# KiCad board DFTBoard.kicad_pcb (continued)
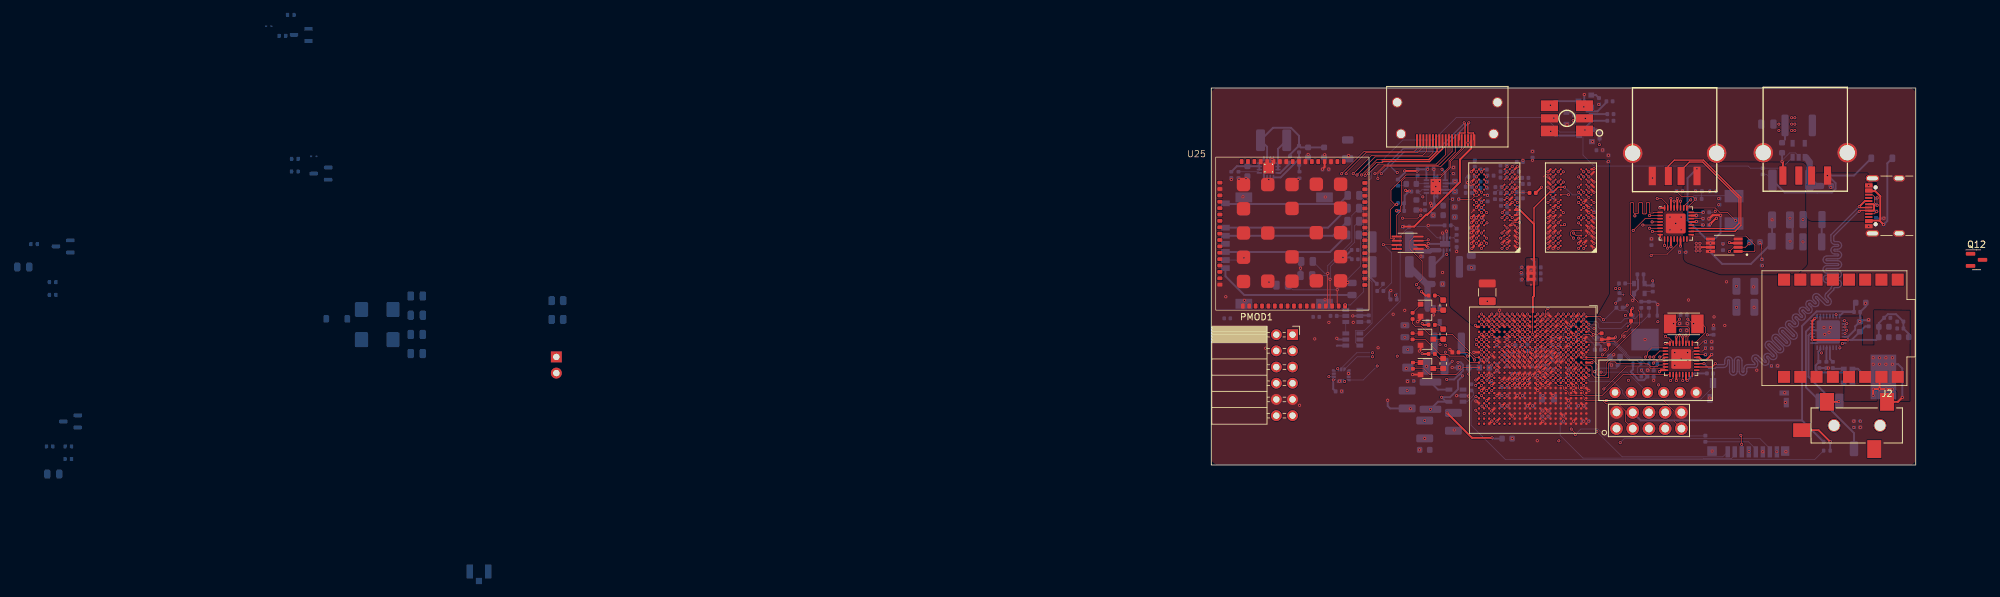
[diagram p0: board, top side]
## Routing (per net, layer and track width the routed paths; a pad name or vN(x,y) marks a point on that pad's centre or on a via; arc(x,y) is an arc through that point) (continued)
  BOTTOM w0.102: R70.1 45.97,41.61 v1(46.31,41.95)
DDR3_CK_N: length 48.3
  TOP_GND w0.102: U15.K7 v1(42.31,41.17) ; U16.K7 v1(54.31,41.17)
  TOP_GND w0.13: U20.N5 v1(48.71,20.47)
  SIGNAL1 w0.102: v1(48.71,20.47) 48.71,20.61 49.11,21.01 49.11,24.59 49.11,24.59 49.11,25.67 49.71,26.27 49.71,31.27 49.71,31.29 49.72,31.3 49.73,31.32 49.74,31.33 49.75,31.34 49.77,31.34 49.78,31.34 49.9,31.34 49.96,31.35 50.01,31.37 50.06,31.4 50.11,31.44 50.14,31.49 50.16,31.55 50.16,31.6 50.16,31.89 50.16,31.95 50.14,32 50.11,32.05 50.06,32.09 50.01,32.12 49.96,32.14 49.9,32.15 49.26,32.15 49.22,32.15 49.19,32.16 49.16,32.18 49.14,32.2 49.12,32.23 49.11,32.26 49.11,32.3 49.11,32.4 49.11,32.43 49.12,32.46 49.14,32.49 49.16,32.51 49.19,32.53 49.22,32.54 49.26,32.54 49.98,32.54 50.05,32.55 50.12,32.58 50.19,32.62 50.24,32.67 50.28,32.73 50.3,32.8 50.31,32.88 50.31,33.02 50.3,33.09 50.28,33.16 50.24,33.22 50.19,33.28 50.12,33.32 50.05,33.34 49.98,33.35 49.26,33.35 49.22,33.35 49.19,33.36 49.16,33.38 49.14,33.4 49.12,33.43 49.11,33.46 49.11,33.5 49.11,33.6 49.11,33.63 49.12,33.66 49.14,33.69 49.16,33.71 49.19,33.73 49.22,33.74 49.26,33.74 49.98,33.74 50.05,33.75 50.12,33.78 50.19,33.82 50.24,33.87 50.28,33.93 50.3,34 50.31,34.08 50.31,34.22 50.3,34.29 50.28,34.36 50.24,34.42 50.19,34.48 50.12,34.52 50.05,34.54 49.98,34.55 49.26,34.55 49.22,34.55 49.19,34.56 49.16,34.58 49.14,34.6 49.12,34.63 49.11,34.66 49.11,34.7 49.11,34.8 49.11,34.83 49.12,34.86 49.14,34.89 49.16,34.91 49.19,34.93 49.22,34.94 49.26,34.94 49.98,34.94 50.05,34.95 50.12,34.98 50.19,35.02 50.24,35.07 50.28,35.13 50.3,35.2 50.31,35.28 50.31,35.42 50.3,35.49 50.28,35.56 50.24,35.62 50.19,35.68 50.12,35.72 50.05,35.74 49.98,35.75 49.26,35.75 49.22,35.75 49.19,35.76 49.16,35.78 49.14,35.8 49.12,35.83 49.11,35.86 49.11,35.9 49.11,36 49.11,36.03 49.12,36.06 49.14,36.09 49.16,36.11 49.19,36.13 49.22,36.14 49.26,36.14 49.38,36.14 49.45,36.15 49.52,36.18 49.59,36.22 49.64,36.27 49.68,36.33 49.7,36.4 49.71,36.48 49.71,38.22 49.86,38.37 54.51,38.37 54.71,38.57 54.71,40.77 v1(54.31,41.17) 53.91,40.77 53.31,40.77 52.74,40.2 52.44,40.2 52.22,39.99 46.91,39.99 46.43,40.47 43.35,40.47 42.65,41.17 v1(42.31,41.17)
DDR3_CK_P: length 46.8
  TOP_GND w0.102: U15.J7 v1(42.31,40.37) ; U16.J7 v1(54.31,40.37)
  TOP_GND w0.13: U20.N4 v1(48.71,21.27)
  SIGNAL1 w0.102: v1(48.71,21.27) 48.31,21.67 48.31,24.07 48.91,24.67 48.91,24.82 48.66,25.07 48.66,25.52 49.51,26.37 49.51,31.29 49.51,31.35 49.53,31.4 49.56,31.45 49.6,31.49 49.65,31.52 49.71,31.54 49.77,31.55 49.88,31.55 49.9,31.55 49.92,31.56 49.93,31.56 49.94,31.58 49.95,31.59 49.96,31.6 49.96,31.62 49.96,31.87 49.96,31.89 49.95,31.9 49.94,31.92 49.93,31.93 49.92,31.94 49.9,31.94 49.88,31.94 49.24,31.94 49.16,31.95 49.09,31.98 49.03,32.02 48.98,32.07 48.94,32.13 48.91,32.2 48.9,32.28 48.9,32.42 48.91,32.49 48.94,32.56 48.98,32.62 49.03,32.68 49.09,32.72 49.16,32.74 49.24,32.75 49.96,32.75 49.99,32.75 50.02,32.76 50.05,32.78 50.08,32.8 50.09,32.83 50.1,32.86 50.11,32.9 50.11,33 50.1,33.03 50.09,33.06 50.08,33.09 50.05,33.11 50.02,33.13 49.99,33.14 49.96,33.14 49.24,33.14 49.16,33.15 49.09,33.18 49.03,33.22 48.98,33.27 48.94,33.33 48.91,33.4 48.9,33.48 48.9,33.62 48.91,33.69 48.94,33.76 48.98,33.82 49.03,33.88 49.09,33.92 49.16,33.94 49.24,33.95 49.96,33.95 49.99,33.95 50.02,33.96 50.05,33.98 50.08,34 50.09,34.03 50.1,34.06 50.11,34.1 50.11,34.2 50.1,34.23 50.09,34.26 50.08,34.29 50.05,34.31 50.02,34.33 49.99,34.34 49.96,34.34 49.24,34.34 49.16,34.35 49.09,34.38 49.03,34.42 48.98,34.47 48.94,34.53 48.91,34.6 48.9,34.68 48.9,34.82 48.91,34.89 48.94,34.96 48.98,35.02 49.03,35.08 49.09,35.12 49.16,35.14 49.24,35.15 49.96,35.15 49.99,35.15 50.02,35.16 50.05,35.18 50.08,35.2 50.09,35.23 50.1,35.26 50.11,35.3 50.11,35.4 50.1,35.43 50.09,35.46 50.08,35.49 50.05,35.51 50.02,35.53 49.99,35.54 49.96,35.54 49.24,35.54 49.16,35.55 49.09,35.58 49.03,35.62 48.98,35.67 48.94,35.73 48.91,35.8 48.9,35.88 48.9,36.02 48.91,36.09 48.94,36.16 48.98,36.22 49.03,36.28 49.09,36.32 49.16,36.34 49.24,36.35 49.36,36.35 49.39,36.35 49.42,36.36 49.45,36.38 49.47,36.4 49.49,36.43 49.5,36.46 49.51,36.5 49.51,39.02 49.66,39.17 54.11,39.17 54.31,39.37 v1(54.31,40.37) 53.91,39.97 52.51,39.97 52.09,39.55 51.74,39.55 51.51,39.77 46.84,39.77 46.34,40.27 44.81,40.27 44.46,39.92 43.56,39.92 43.11,40.37 v1(42.31,40.37)
DDR3_CKE: length 39.2
  TOP_GND w0.102: U16.K9 v1(52.71,41.17) ; U15.K9 v1(41.51,41.17)
  TOP_GND w0.13: 45.11,21.67 v1(44.71,22.07)
  SIGNAL1 w0.102: v1(41.51,41.17) 41.91,41.57 42.71,41.57 43.51,40.77 48.91,40.77 49.31,41.17 49.81,41.17 49.86,41.17 49.9,41.16 49.94,41.13 49.97,41.1 49.99,41.06 50.01,41.02 50.01,40.93 50.03,40.89 50.05,40.85 50.08,40.82 50.12,40.8 50.16,40.78 50.21,40.78 50.21,40.78 50.26,40.78 50.3,40.8 50.34,40.82 50.37,40.85 50.39,40.89 50.41,40.93 50.41,40.98 50.41,41.17 50.41,41.17 50.41,41.37 50.42,41.42 50.43,41.46 50.45,41.5 50.49,41.53 50.52,41.55 50.57,41.57 50.61,41.57 50.61,41.57 50.66,41.57 50.7,41.55 50.74,41.53 50.77,41.5 50.79,41.46 50.81,41.42 50.82,41.33 50.83,41.29 50.85,41.25 50.89,41.22 50.92,41.19 50.97,41.18 51.01,41.17 v1(52.71,41.17)
  SIGNAL4 w0.102: v1(52.71,41.17) 53.11,40.77 53.11,33.8 52.84,33.52 52.41,33.52 46.6,27.71 46.57,27.69 46.55,27.68 46.52,27.67 46.48,27.67 46.45,27.68 46.43,27.69 46.4,27.71 46.31,27.8 46.29,27.82 46.26,27.83 46.23,27.84 46.2,27.84 46.17,27.83 46.14,27.82 46.12,27.8 46.03,27.72 46.01,27.69 46,27.66 45.99,27.63 45.99,27.6 46,27.57 46.01,27.54 46.03,27.52 46.4,27.15 46.42,27.12 46.44,27.09 46.44,27.06 46.44,27.03 46.44,27 46.42,26.97 46.4,26.95 46.32,26.86 46.29,26.84 46.26,26.83 46.23,26.82 46.2,26.82 46.17,26.83 46.14,26.84 46.12,26.86 46.03,26.95 46.01,26.97 45.98,26.98 45.95,26.99 45.92,26.99 45.89,26.98 45.86,26.97 45.84,26.95 45.05,26.16 45.02,26.16 44.32,25.46 44.32,22.48 44.31,22.47 v1(44.71,22.07)
DDR3_CS#: length 48.3
  TOP_GND w0.102: U16.L2 v1(59.11,41.97) ; U15.L2 47.12,42.78 v1(47.12,42.79) 48.76,42.79 48.88,42.67 R73.1
  TOP_GND w0.13: 48.31,19.27 v1(47.91,19.67)
  SIGNAL2 w0.102: v1(47.12,42.79) 48.52,42.79 48.68,42.62 50.11,42.62 50.14,42.62 50.17,42.61 50.19,42.6 50.21,42.58 50.23,42.55 50.24,42.52 50.24,42.47 50.25,42.44 50.27,42.41 50.29,42.39 50.31,42.38 50.34,42.37 50.37,42.37 50.51,42.37 50.54,42.37 50.57,42.38 50.59,42.39 50.61,42.41 50.63,42.44 50.64,42.47 50.64,42.52 50.65,42.55 50.67,42.58 50.69,42.6 50.71,42.61 50.74,42.62 50.77,42.62 51.76,42.62 52.01,42.37 52.89,42.37 53.29,42.77 56.41,42.77 56.81,42.37 U16.L2 v1(59.11,41.97)
  SIGNAL4 w0.102: v1(47.91,19.67) 48.31,20.07 48.31,20.67 48.51,20.88 49.71,20.88 49.91,21.07 49.91,23.88 52.28,26.25 52.31,26.27 52.34,26.28 52.37,26.29 52.4,26.29 52.43,26.28 52.46,26.27 52.48,26.25 52.55,26.18 52.58,26.16 52.61,26.15 52.64,26.14 52.67,26.14 52.7,26.15 52.73,26.16 52.75,26.18 52.84,26.26 52.86,26.29 52.87,26.32 52.88,26.35 52.88,26.38 52.87,26.41 52.86,26.44 52.84,26.46 52.77,26.53 52.75,26.56 52.73,26.59 52.73,26.62 52.73,26.65 52.73,26.68 52.75,26.71 52.77,26.73 52.85,26.82 59.51,33.47 59.51,38.97 59.71,39.17 60.21,39.17 60.84,39.81 60.84,41.71 60.47,42.08 59.56,42.08 59.45,41.97 v1(59.11,41.97)
DDR3_DM0: length 30.9
  TOP_GND w0.102: v1(55.31,37.69) 55.19,37.57 U16.E7
  TOP_GND w0.13: v1(58.33,23.68) 58.31,23.68 57.91,23.27
  SIGNAL2 w0.102: v1(58.33,23.68) 58.33,23.48 57.91,23.06 57.91,22.69 57.69,22.47 56.53,22.47 56.31,22.69 56.31,24.98 58.94,27.6 58.94,28.32 58.92,28.33 58.92,31.61 59.51,32.2 59.51,35.37 59.23,35.66 58.94,35.66 58.39,36.21 58.39,36.34 58.14,36.59 58.14,37.09 57.95,37.28 57.32,37.28 57.02,37.58 56.65,37.58 56.46,37.77 56.46,39.62 56.69,39.85 57.59,39.85 57.71,39.97 57.71,40.12 57.41,40.42 55.91,40.42 55.61,40.12 55.61,39.47 55.31,39.17 v1(55.31,37.69)
DDR3_DM1: length 20.6
  TOP_GND w0.102: v1(56.71,35.57) 56.21,36.07 56.21,36.47 56.51,36.77 U16.D3
  TOP_GND w0.13: 53.11,21.67 v1(53.51,22.07)
  SIGNAL2 w0.102: v1(53.51,22.07) 53.17,22.07 53.1,22.14 53.1,22.38 53.2,22.48 53.7,22.48 53.91,22.69 53.91,26.07 54.35,26.51 54.35,31.51 54.44,31.6 54.62,31.6 54.75,31.73 54.75,32.03 54.36,32.42 54.33,32.45 54.31,32.49 54.3,32.54 54.3,32.58 54.31,32.62 54.33,32.67 54.36,32.7 54.4,32.73 54.44,32.75 54.48,32.76 54.52,32.76 54.57,32.75 54.61,32.73 54.64,32.7 54.95,32.4 54.98,32.37 55.02,32.35 55.07,32.34 55.11,32.34 55.16,32.35 55.2,32.37 55.23,32.4 56.71,33.87 v1(56.71,35.57)
DDR3_DM2: length 21.6
  TOP_GND w0.102: U15.E7 v1(43.16,37.97)
  TOP_GND w0.13: 48.31,23.27 v1(47.91,23.67)
  SIGNAL1 w0.102: v1(43.16,37.97) 43.56,38.37 47.26,38.37 48.01,37.62 48.11,37.62 48.3,37.43 48.3,31.91 48.09,31.7 48.09,27.7 48.06,27.69 48.04,27.68 48.01,27.66 48,27.63 47.99,27.6 47.98,27.57 47.98,27.45 47.99,27.42 48,27.39 48.01,27.36 48.04,27.34 48.06,27.32 48.09,27.31 48.12,27.31 48.48,27.31 48.51,27.3 48.54,27.29 48.57,27.28 48.59,27.26 48.61,27.23 48.62,27.2 48.62,27.17 48.62,27.05 48.62,27.02 48.61,26.99 48.59,26.96 48.57,26.94 48.54,26.92 48.51,26.91 48.48,26.91 48.44,26.91 48.41,26.9 48.38,26.89 48.36,26.88 48.33,26.86 48.32,26.83 48.31,26.8 48.3,26.77 48.3,24.57 47.91,24.17 v1(47.91,23.67)
DDR3_DM3: length 21.9
  TOP_GND w0.102: U15.D3 45.41,36.37
  TOP_GND w0.13: U20.AA2 v1(42.31,22.88)
  SIGNAL4 w0.102: v1(42.31,22.88) 43.61,24.17 43.61,28.57 43.61,28.6 43.62,28.62 43.63,28.64 43.65,28.65 43.67,28.67 43.69,28.67 43.71,28.67 44.29,28.67 44.31,28.68 44.33,28.68 44.35,28.7 44.37,28.71 44.38,28.73 44.39,28.75 44.39,28.77 44.39,28.97 44.39,29 44.38,29.02 44.37,29.04 44.35,29.05 44.33,29.07 44.31,29.07 44.29,29.07 42.93,29.07 42.91,29.08 42.89,29.08 42.87,29.1 42.85,29.11 42.84,29.13 42.83,29.15 42.83,29.17 42.83,29.38 42.83,29.4 42.84,29.42 42.85,29.44 42.87,29.45 42.89,29.47 42.91,29.47 42.93,29.47 44.29,29.47 44.31,29.48 44.33,29.48 44.35,29.5 44.37,29.51 44.38,29.53 44.39,29.55 44.39,29.57 44.39,29.77 44.39,29.8 44.38,29.82 44.37,29.84 44.35,29.85 44.33,29.87 44.31,29.87 44.29,29.88 42.93,29.88 42.91,29.88 42.89,29.88 42.87,29.9 42.85,29.91 42.84,29.93 42.83,29.95 42.83,29.97 42.83,30.17 42.83,30.2 42.84,30.22 42.85,30.24 42.87,30.25 42.89,30.27 42.91,30.27 42.93,30.27 43.51,30.27 43.53,30.28 43.55,30.28 43.57,30.3 43.59,30.31 43.6,30.33 43.61,30.35 43.61,30.38 43.61,34.47 v1(45.51,36.37)
DDR3_DQ0: length 30.5
  TOP_GND w0.102: U16.E3 v1(57.51,37.97) ; 57.11,21.67 v1(57.51,21.27)
  SIGNAL2 w0.102: v1(57.51,37.97) 57.01,38.47 57.01,38.86 57.32,39.17 58.1,39.17 58.24,39.31 58.26,39.31 58.92,39.97 59.28,39.97 59.69,40.37 61.71,40.37 62.31,39.77 62.31,34.2 62.31,34.17 62.3,34.14 62.28,34.12 62.26,34.1 62.24,34.09 62.21,34.08 62.16,34.07 62.13,34.06 62.11,34.05 62.09,34.03 62.07,34 62.06,33.98 62.06,33.95 62.06,33.6 62.06,33.57 62.07,33.54 62.09,33.52 62.11,33.5 62.13,33.49 62.16,33.48 62.19,33.47 62.46,33.47 62.49,33.47 62.53,33.46 62.55,33.44 62.58,33.42 62.6,33.39 62.61,33.36 62.61,33.32 62.61,33.02 62.61,32.99 62.6,32.96 62.58,32.93 62.55,32.91 62.53,32.89 62.49,32.88 62.43,32.87 62.39,32.86 62.37,32.84 62.34,32.82 62.32,32.79 62.31,32.76 62.31,32.72 62.31,25.32 59.66,22.67 58.98,22.67 58.71,22.4 58.71,21.75 58.63,21.67 57.9,21.67 v1(57.51,21.27)
DDR3_DQ1: length 32
  TOP_GND w0.102: U16.F7 v1(54.31,37.97)
  TOP_GND w0.13: U20.F2 v1(55.11,22.88)
  SIGNAL2 w0.102: v1(54.31,37.97) 54.16,38.12 53.99,38.12 53.94,38.07 53.94,37.72 54.15,37.51 54.32,37.51 55.11,36.72 55.76,36.72 56.11,37.07 56.95,37.07 57.56,36.46 57.59,36.46 57.59,36.07 57.92,35.74 57.93,35.74 57.93,35.36 58.11,35.17 58.48,35.17 58.99,34.66 58.99,33.41 58.25,32.66 58.23,32.65 58.2,32.63 58.18,32.63 58.15,32.63 58.12,32.63 58.1,32.65 58.05,32.68 58.03,32.69 58,32.7 57.97,32.7 57.95,32.69 57.92,32.68 57.9,32.66 57.79,32.56 57.77,32.53 57.76,32.51 57.76,32.48 57.76,32.45 57.76,32.43 57.77,32.4 57.79,32.38 58.03,32.15 58.04,32.12 58.06,32.09 58.07,32.06 58.07,32.03 58.06,32 58.04,31.97 58.03,31.95 57.94,31.86 57.92,31.84 57.89,31.83 57.86,31.82 57.83,31.82 57.8,31.83 57.77,31.84 57.74,31.86 57.51,32.1 57.49,32.12 57.46,32.13 57.43,32.13 57.41,32.13 57.38,32.13 57.35,32.12 57.33,32.1 57.23,31.99 57.21,31.97 57.2,31.94 57.19,31.92 57.19,31.89 57.2,31.86 57.21,31.84 57.23,31.82 57.88,31.16 57.9,31.13 57.92,31.1 57.92,31.07 57.92,31.04 57.92,31.01 57.9,30.98 57.88,30.96 57.8,30.87 57.77,30.85 57.75,30.84 57.72,30.83 57.68,30.83 57.65,30.84 57.63,30.85 57.6,30.87 57.13,31.35 57.1,31.37 57.08,31.38 57.05,31.39 57.01,31.39 56.98,31.38 56.96,31.37 56.93,31.35 56.93,30.5 56.93,30.46 56.95,30.43 56.96,30.4 56.99,30.38 57.02,30.36 57.05,30.35 57.08,30.35 57.23,30.35 57.26,30.34 57.29,30.33 57.32,30.31 57.34,30.29 57.36,30.26 57.37,30.23 57.38,30.2 57.37,30.16 57.36,30.13 57.34,30.1 57.32,30.08 57.29,30.06 57.26,30.05 57.23,30.05 57.08,30.05 57.05,30.04 57.02,30.03 56.99,30.01 56.96,29.99 56.95,29.96 56.93,29.93 56.93,29.9 56.93,26.6 55.52,25.18 55.52,23.17 56.31,22.38 56.3,22.37 56.3,21.89 56.09,21.67 55.73,21.67 55.52,21.46 55.52,21.09 55.31,20.89 54.93,20.89 54.71,21.11 54.71,21.38 54.73,21.39 54.73,21.47 54.93,21.67 55.29,21.67 55.5,21.89 55.5,22.26 55.3,22.47 55.18,22.47 55.11,22.54 v1(55.11,22.88)
DDR3_DQ2: length 30.4
  TOP_GND w0.102: U20.B2 v1(58.31,22.88) ; U16.F2 v1(59.11,37.97)
  SIGNAL2 w0.102: v1(59.11,37.97) 58.8,37.97 58.71,38.06 58.71,38.27 58.81,38.37 60.16,38.37 60.41,38.12 60.41,37.9 60.46,37.85 60.53,37.85 60.71,38.02 60.71,39.47 60.88,39.65 61.03,39.65 61.27,39.41 61.27,38.24 61.27,38.21 61.26,38.18 61.24,38.15 61.22,38.13 61.19,38.12 61.16,38.11 61.13,38.1 61.11,38.1 61.08,38.1 61.05,38.09 61.03,38.07 61,38.05 60.99,38.02 60.98,37.99 60.97,37.96 60.97,37.84 60.98,37.81 60.99,37.78 61,37.75 61.03,37.73 61.05,37.72 61.08,37.71 61.11,37.7 61.43,37.7 61.46,37.7 61.49,37.69 61.52,37.67 61.54,37.65 61.56,37.62 61.57,37.59 61.57,37.56 61.57,37.44 61.57,37.41 61.56,37.38 61.54,37.35 61.52,37.33 61.49,37.32 61.46,37.31 61.43,37.3 61.22,37.3 61.21,37.3 61.2,37.3 61.19,37.29 61.18,37.28 61.18,37.27 61.17,37.26 61.17,37.25 61.17,36.95 61.17,36.94 61.18,36.93 61.18,36.92 61.19,36.91 61.2,36.91 61.21,36.9 61.22,36.9 61.43,36.9 61.46,36.9 61.49,36.89 61.52,36.87 61.54,36.85 61.56,36.82 61.57,36.79 61.57,36.76 61.57,36.64 61.57,36.61 61.56,36.58 61.54,36.55 61.52,36.53 61.49,36.52 61.46,36.51 61.43,36.5 61.22,36.5 61.21,36.5 61.2,36.5 61.19,36.49 61.18,36.48 61.18,36.47 61.17,36.46 61.17,36.45 61.17,36.15 61.17,36.14 61.18,36.13 61.18,36.12 61.19,36.11 61.2,36.11 61.21,36.1 61.22,36.1 61.43,36.1 61.46,36.1 61.49,36.09 61.52,36.07 61.54,36.05 61.56,36.02 61.57,35.99 61.57,35.96 61.57,35.84 61.57,35.81 61.56,35.78 61.54,35.75 61.52,35.73 61.49,35.72 61.46,35.71 61.43,35.7 61.22,35.7 61.21,35.7 61.2,35.7 61.19,35.69 61.18,35.68 61.18,35.67 61.17,35.66 61.17,35.65 61.17,35.35 61.17,35.34 61.18,35.33 61.18,35.32 61.19,35.31 61.2,35.31 61.21,35.3 61.22,35.3 61.43,35.3 61.46,35.3 61.49,35.29 61.52,35.27 61.54,35.25 61.56,35.22 61.57,35.19 61.57,35.16 61.57,35.04 61.57,35.01 61.56,34.98 61.54,34.95 61.52,34.93 61.49,34.92 61.46,34.91 61.43,34.9 61.22,34.9 61.21,34.9 61.2,34.9 61.19,34.89 61.18,34.88 61.18,34.87 61.17,34.86 61.17,34.85 61.17,34.55 61.17,34.54 61.18,34.53 61.18,34.52 61.19,34.51 61.2,34.51 61.21,34.5 61.22,34.5 61.43,34.5 61.46,34.5 61.49,34.49 61.52,34.47 61.54,34.45 61.56,34.42 61.57,34.39 61.57,34.36 61.57,34.24 61.57,34.21 61.56,34.18 61.54,34.15 61.52,34.13 61.49,34.12 61.46,34.11 61.43,34.1 61.22,34.1 61.21,34.1 61.2,34.1 61.19,34.09 61.18,34.08 61.18,34.07 61.17,34.06 61.17,34.05 61.17,33.75 61.17,33.74 61.18,33.73 61.18,33.72 61.19,33.71 61.2,33.71 61.21,33.7 61.22,33.7 61.43,33.7 61.46,33.7 61.49,33.69 61.52,33.67 61.54,33.65 61.56,33.62 61.57,33.59 61.57,33.56 61.57,33.44 61.57,33.41 61.56,33.38 61.54,33.35 61.52,33.33 61.49,33.32 61.46,33.31 61.43,33.3 61.41,33.3 61.38,33.3 61.35,33.29 61.33,33.27 61.3,33.25 61.29,33.22 61.28,33.19 61.27,33.16 61.27,25.89 60.03,24.65 60.03,24.6 59.66,24.23 59.65,24.21 59.64,24.2 59.64,24.18 59.64,24.16 59.64,24.14 59.65,24.13 59.67,24.1 59.68,24.08 59.68,24.06 59.68,24.05 59.68,24.03 59.67,24.01 59.66,24 59.49,23.83 59.48,23.82 59.46,23.81 59.45,23.81 59.43,23.81 59.41,23.81 59.39,23.82 59.38,23.83 58.74,24.47 58.72,24.49 58.69,24.5 58.66,24.51 58.63,24.51 58.59,24.5 58.57,24.49 58.54,24.47 58.46,24.38 58.44,24.36 58.42,24.33 58.42,24.3 58.42,24.27 58.42,24.24 58.44,24.21 58.46,24.19 59.04,23.6 59.03,23.59 59.08,23.53 59.09,23.52 59.1,23.5 59.11,23.48 59.11,23.47 59.1,23.45 59.09,23.43 59.08,23.42 58.91,23.25 58.9,23.24 58.88,23.23 58.87,23.23 58.85,23.23 58.83,23.23 58.81,23.24 58.79,23.26 58.77,23.27 58.75,23.27 58.73,23.27 58.72,23.27 58.7,23.26 58.69,23.25 v1(58.31,22.88)
DDR3_DQ3: length 32.1
  TOP_GND w0.102: U16.F8 v1(53.51,37.97)
  TOP_GND w0.13: 54.71,23.27 v1(55.11,23.67)
  SIGNAL2 w0.102: v1(55.11,23.67) 55.11,25.38 56.44,26.7 56.44,31.55 58.28,33.4 58.53,33.4 58.7,33.57 58.7,34.16 58.49,34.37 57.26,34.37 57.11,34.52 57.11,35.92 57.16,35.97 57.16,36.57 56.96,36.77 56.41,36.77 55.92,36.27 55.01,36.27 54.53,36.76 54.53,36.77 53.75,37.55 53.66,37.55 53.62,37.59 52.1,37.59 52.09,37.57 50.26,37.57 50.06,37.77 50.06,38.92 51.31,40.17 52.91,40.17 53.11,39.97 53.11,38.37 v1(53.51,37.97)
DDR3_DQ4: length 30.1
  TOP_GND w0.102: U16.H3 v1(58.31,40.37)
  TOP_GND w0.13: 55.51,21.67 v1(55.91,21.27)
  SIGNAL2 w0.102: v1(58.31,40.37) 58.71,40.77 61.86,40.77 62.86,39.77 62.86,24.97 61.06,23.17 61,23.17 59.52,21.68 58.94,21.68 58.72,21.46 58.72,21.1 58.5,20.88 56.32,20.88 56.31,20.88 v1(55.91,21.27)
DDR3_DQ5: length 31.1
  TOP_GND w0.102: U16.H8 v1(53.51,39.57)
  TOP_GND w0.13: 55.51,23.27 v1(55.91,23.67)
  SIGNAL2 w0.102: v1(53.51,39.57) 53.91,39.17 53.91,38.57 54.11,38.37 54.51,38.37 54.71,38.17 54.71,37.72 55.16,37.27 55.51,37.27 55.71,37.47 55.71,39.07 55.81,39.17 56.06,39.17 56.11,39.12 56.11,37.52 56.36,37.27 57.03,37.27 57.35,36.96 57.67,36.96 57.8,36.84 57.8,36.51 58.27,36.04 58.27,35.61 58.35,35.54 58.77,35.54 59.25,35.06 59.25,32.81 58.13,31.7 58.13,29.73 58.13,29.7 58.12,29.67 58.1,29.64 58.08,29.62 58.06,29.6 58.03,29.59 58,29.59 57.35,29.59 57.32,29.59 57.29,29.58 57.27,29.56 57.25,29.54 57.23,29.51 57.22,29.48 57.21,29.45 57.21,29.33 57.22,29.3 57.23,29.27 57.25,29.24 57.27,29.22 57.29,29.2 57.32,29.19 57.35,29.19 58.47,29.19 58.5,29.19 58.53,29.18 58.55,29.16 58.57,29.14 58.59,29.11 58.6,29.08 58.61,29.05 58.61,28.93 58.6,28.9 58.59,28.87 58.57,28.84 58.55,28.82 58.53,28.8 58.5,28.79 58.47,28.79 57.35,28.79 57.32,28.79 57.29,28.78 57.27,28.76 57.25,28.74 57.23,28.71 57.22,28.68 57.21,28.65 57.21,28.53 57.22,28.5 57.23,28.47 57.25,28.44 57.27,28.42 57.29,28.4 57.32,28.39 57.35,28.39 58.47,28.39 58.5,28.39 58.53,28.38 58.55,28.36 58.57,28.34 58.59,28.31 58.6,28.28 58.61,28.25 58.61,28.13 58.6,28.1 58.59,28.07 58.57,28.04 58.55,28.02 58.53,28 58.5,27.99 58.47,27.99 57.97,27.99 57.66,27.67 57.66,26.88 56.74,25.96 56.73,25.96 55.91,25.14 v1(55.91,23.67)
DDR3_DQ6: length 32
  TOP_GND w0.102: U16.G2 v1(59.11,38.77)
  TOP_GND w0.13: 56.31,21.67 v1(56.71,22.07)
  SIGNAL2 w0.102: v1(59.11,38.77) 59.51,39.17 60.09,39.17 60.31,39.39 60.31,39.92 60.36,39.97 61.71,39.97 61.81,39.87 61.81,32.82 61.81,32.8 61.8,32.78 61.79,32.76 61.77,32.75 61.75,32.73 61.73,32.73 61.71,32.72 61.62,32.72 61.6,32.72 61.58,32.72 61.56,32.7 61.54,32.69 61.53,32.67 61.52,32.65 61.52,32.62 61.52,32.42 61.52,32.4 61.53,32.38 61.54,32.36 61.56,32.35 61.58,32.33 61.6,32.33 61.62,32.32 61.95,32.32 61.97,32.32 61.99,32.32 62.01,32.3 62.03,32.29 62.04,32.27 62.05,32.25 62.05,32.22 62.05,32.02 62.05,32 62.04,31.98 62.03,31.96 62.01,31.95 61.99,31.93 61.97,31.93 61.95,31.92 61.62,31.92 61.6,31.92 61.58,31.92 61.56,31.9 61.54,31.89 61.53,31.87 61.52,31.85 61.52,31.82 61.52,31.62 61.52,31.6 61.53,31.58 61.54,31.56 61.56,31.55 61.58,31.53 61.6,31.53 61.62,31.52 61.95,31.52 61.97,31.52 61.99,31.52 62.01,31.5 62.03,31.49 62.04,31.47 62.05,31.45 62.05,31.42 62.05,31.22 62.05,31.2 62.04,31.18 62.03,31.16 62.01,31.15 61.99,31.13 61.97,31.13 61.95,31.12 61.62,31.12 61.6,31.12 61.58,31.12 61.56,31.1 61.54,31.09 61.53,31.07 61.52,31.05 61.52,31.02 61.52,30.82 61.52,30.8 61.53,30.78 61.54,30.76 61.56,30.75 61.58,30.73 61.6,30.73 61.62,30.72 61.95,30.72 61.97,30.72 61.99,30.72 62.01,30.7 62.03,30.69 62.04,30.67 62.05,30.65 62.05,30.62 62.05,30.42 62.05,30.4 62.04,30.38 62.03,30.36 62.01,30.35 61.99,30.33 61.97,30.33 61.95,30.32 61.62,30.32 61.6,30.32 61.58,30.32 61.56,30.3 61.54,30.29 61.53,30.27 61.52,30.25 61.52,30.22 61.52,30.02 61.52,30 61.53,29.98 61.54,29.96 61.56,29.95 61.58,29.93 61.6,29.93 61.62,29.92 61.95,29.92 61.97,29.92 61.99,29.92 62.01,29.9 62.03,29.89 62.04,29.87 62.05,29.85 62.05,29.82 62.05,29.62 62.05,29.6 62.04,29.58 62.03,29.56 62.01,29.55 61.99,29.53 61.97,29.53 61.95,29.52 61.62,29.52 61.6,29.52 61.58,29.52 61.56,29.5 61.54,29.49 61.53,29.47 61.52,29.45 61.52,29.42 61.52,29.22 61.52,29.2 61.53,29.18 61.54,29.16 61.56,29.15 61.58,29.13 61.6,29.13 61.62,29.12 61.95,29.12 61.97,29.12 61.99,29.12 62.01,29.1 62.03,29.09 62.04,29.07 62.05,29.05 62.05,29.02 62.05,28.82 62.05,28.8 62.04,28.78 62.03,28.76 62.01,28.75 61.99,28.73 61.97,28.73 61.95,28.72 61.91,28.72 61.89,28.72 61.87,28.72 61.85,28.7 61.83,28.69 61.82,28.67 61.81,28.65 61.81,28.62 61.81,28.52 61.85,28.48 61.85,25.78 59.73,23.66 59.68,23.66 58.5,22.48 57.99,22.48 57.78,22.27 57.36,22.27 57.11,22.02 57.11,21.27 56.96,21.12 56.56,21.12 56.31,21.38 56.31,21.57 56.71,21.97 v1(56.71,22.07)
DDR3_DQ7: length 30.9
  TOP_GND w0.102: U16.H7 v1(55.11,39.57)
  TOP_GND w0.13: v1(56.71,23.67) 56.71,23.67 56.31,23.27
  SIGNAL2 w0.102: v1(56.71,23.67) 56.71,24.63 56.71,24.63 59.71,27.62 59.71,31.22 59.75,31.26 59.75,33.24 60.35,33.84 60.35,35.73 60.12,35.97 58.92,35.97 58.69,36.2 58.69,36.46 58.42,36.73 58.42,37.27 58.16,37.52 57.36,37.52 56.81,38.07 56.81,39.32 57,39.52 58.07,39.52 58.23,39.68 58.23,39.87 57.91,40.19 57.91,40.52 57.66,40.77 55.01,40.77 54.71,40.47 54.71,40.12 54.51,39.92 54.26,39.92 54.11,39.77 54.11,39.42 54.31,39.22 54.46,39.22 54.71,38.97 54.71,38.62 54.81,38.52 54.96,38.52 55.01,38.57 55.01,39.22 55.11,39.32 v1(55.11,39.57)
DDR3_DQ8: length 19.9
  TOP_GND w0.102: U16.D7 v1(54.31,36.37)
  TOP_GND w0.13: 50.71,21.67 v1(51.11,22.07)
  SIGNAL2 w0.102: v1(54.31,36.37) 53.91,36.77 52.91,36.77 52.9,36.79 50.9,36.79 50.4,36.28 50.4,22.79 v1(51.11,22.07)
DDR3_DQ9: length 18.9
  TOP_GND w0.102: U16.C3 57.11,35.97 v1(56.71,36.37)
  TOP_GND w0.13: 50.71,23.27 v1(51.11,23.67)
  SIGNAL2 w0.102: v1(56.71,36.37) 56.32,35.98 54.14,35.98 53.92,35.76 53.92,35.39 53.71,35.18 52.54,35.18 51.37,34.02 51.37,24.51 51.11,24.25 v1(51.11,23.67)
DDR3_DQ10: length 19.4
  TOP_GND w0.102: U16.C8 v1(53.51,35.57)
  TOP_GND w0.13: U20.L2 v1(51.11,22.88)
  SIGNAL2 w0.102: v1(53.51,35.57) 53.12,35.97 52.25,35.97 51.75,36.47 51.26,36.47 50.9,36.11 50.9,35.66 50.9,35.62 50.92,35.58 50.94,35.54 50.97,35.51 51.01,35.48 51.05,35.47 51.1,35.46 51.68,35.46 51.72,35.46 51.77,35.44 51.8,35.42 51.84,35.39 51.86,35.35 51.87,35.31 51.88,35.26 51.87,35.22 51.86,35.18 51.84,35.14 51.8,35.11 51.77,35.08 51.72,35.07 51.68,35.06 51.1,35.06 51.05,35.06 51.01,35.04 50.97,35.02 50.94,34.99 50.92,34.95 50.9,34.91 50.9,34.86 50.9,24.76 50.71,24.57 50.71,23.27 v1(51.11,22.88)
DDR3_DQ11: length 23.2
  TOP_GND w0.102: v1(52.71,24.57) 52.31,24.17 52.31,23.27 ; v1(57.51,35.57) 58.31,35.57 U16.C2
  SIGNAL1 w0.102: v1(52.71,24.57) 52.71,25.47 52.81,25.57 52.84,25.6 52.88,25.62 52.92,25.63 52.96,25.63 53,25.62 53.04,25.6 53.1,25.55 53.14,25.53 53.18,25.52 53.22,25.52 53.26,25.53 53.3,25.55 53.33,25.57 53.35,25.6 53.38,25.63 53.4,25.67 53.41,25.71 53.41,25.75 53.4,25.79 53.38,25.83 53.35,25.86 53.22,25.99 53.23,26 53.16,26.08 53.14,26.1 53.13,26.12 53.13,26.14 53.13,26.17 53.13,26.19 53.14,26.21 53.16,26.23 53.29,26.36 53.31,26.37 53.33,26.38 53.35,26.39 53.38,26.39 53.4,26.38 53.42,26.37 53.44,26.36 53.65,26.15 53.68,26.13 53.72,26.11 53.76,26.1 53.8,26.1 53.84,26.11 53.87,26.13 53.91,26.15 53.93,26.18 53.96,26.21 53.97,26.24 53.98,26.28 53.98,26.33 53.97,26.37 53.96,26.4 53.93,26.44 53.72,26.64 53.71,26.66 53.7,26.68 53.69,26.71 53.69,26.73 53.7,26.75 53.71,26.78 53.72,26.8 53.85,26.92 53.87,26.94 53.89,26.95 53.92,26.96 53.94,26.96 53.96,26.95 53.99,26.94 54.01,26.92 54.21,26.72 54.24,26.69 54.28,26.67 54.32,26.67 54.36,26.67 54.4,26.67 54.44,26.69 54.47,26.72 54.5,26.74 54.52,26.77 54.54,26.81 54.55,26.85 54.55,26.89 54.54,26.93 54.52,26.97 54.5,27 54.29,27.21 54.27,27.23 54.26,27.25 54.26,27.27 54.26,27.3 54.26,27.32 54.27,27.34 54.29,27.36 54.42,27.49 54.44,27.51 54.46,27.52 54.48,27.52 54.51,27.52 54.53,27.52 54.55,27.51 54.57,27.49 54.78,27.28 54.81,27.26 54.85,27.24 54.89,27.23 54.93,27.23 54.97,27.24 55.01,27.26 55.04,27.28 55.06,27.31 55.09,27.34 55.1,27.38 55.11,27.42 55.11,27.46 55.1,27.5 55.09,27.53 55.04,27.6 55.02,27.64 55.01,27.68 55.01,27.72 55.02,27.76 55.04,27.79 55.06,27.83 56.88,29.65 56.88,32.7 57.06,32.87 57.76,32.87 57.91,33.02 57.91,34.95 58.31,35.35 58.31,36.82 58.06,37.07 57.86,37.07 57.51,36.72 v1(57.51,35.57)
